# KiCad board Djinn.kicad_pcb
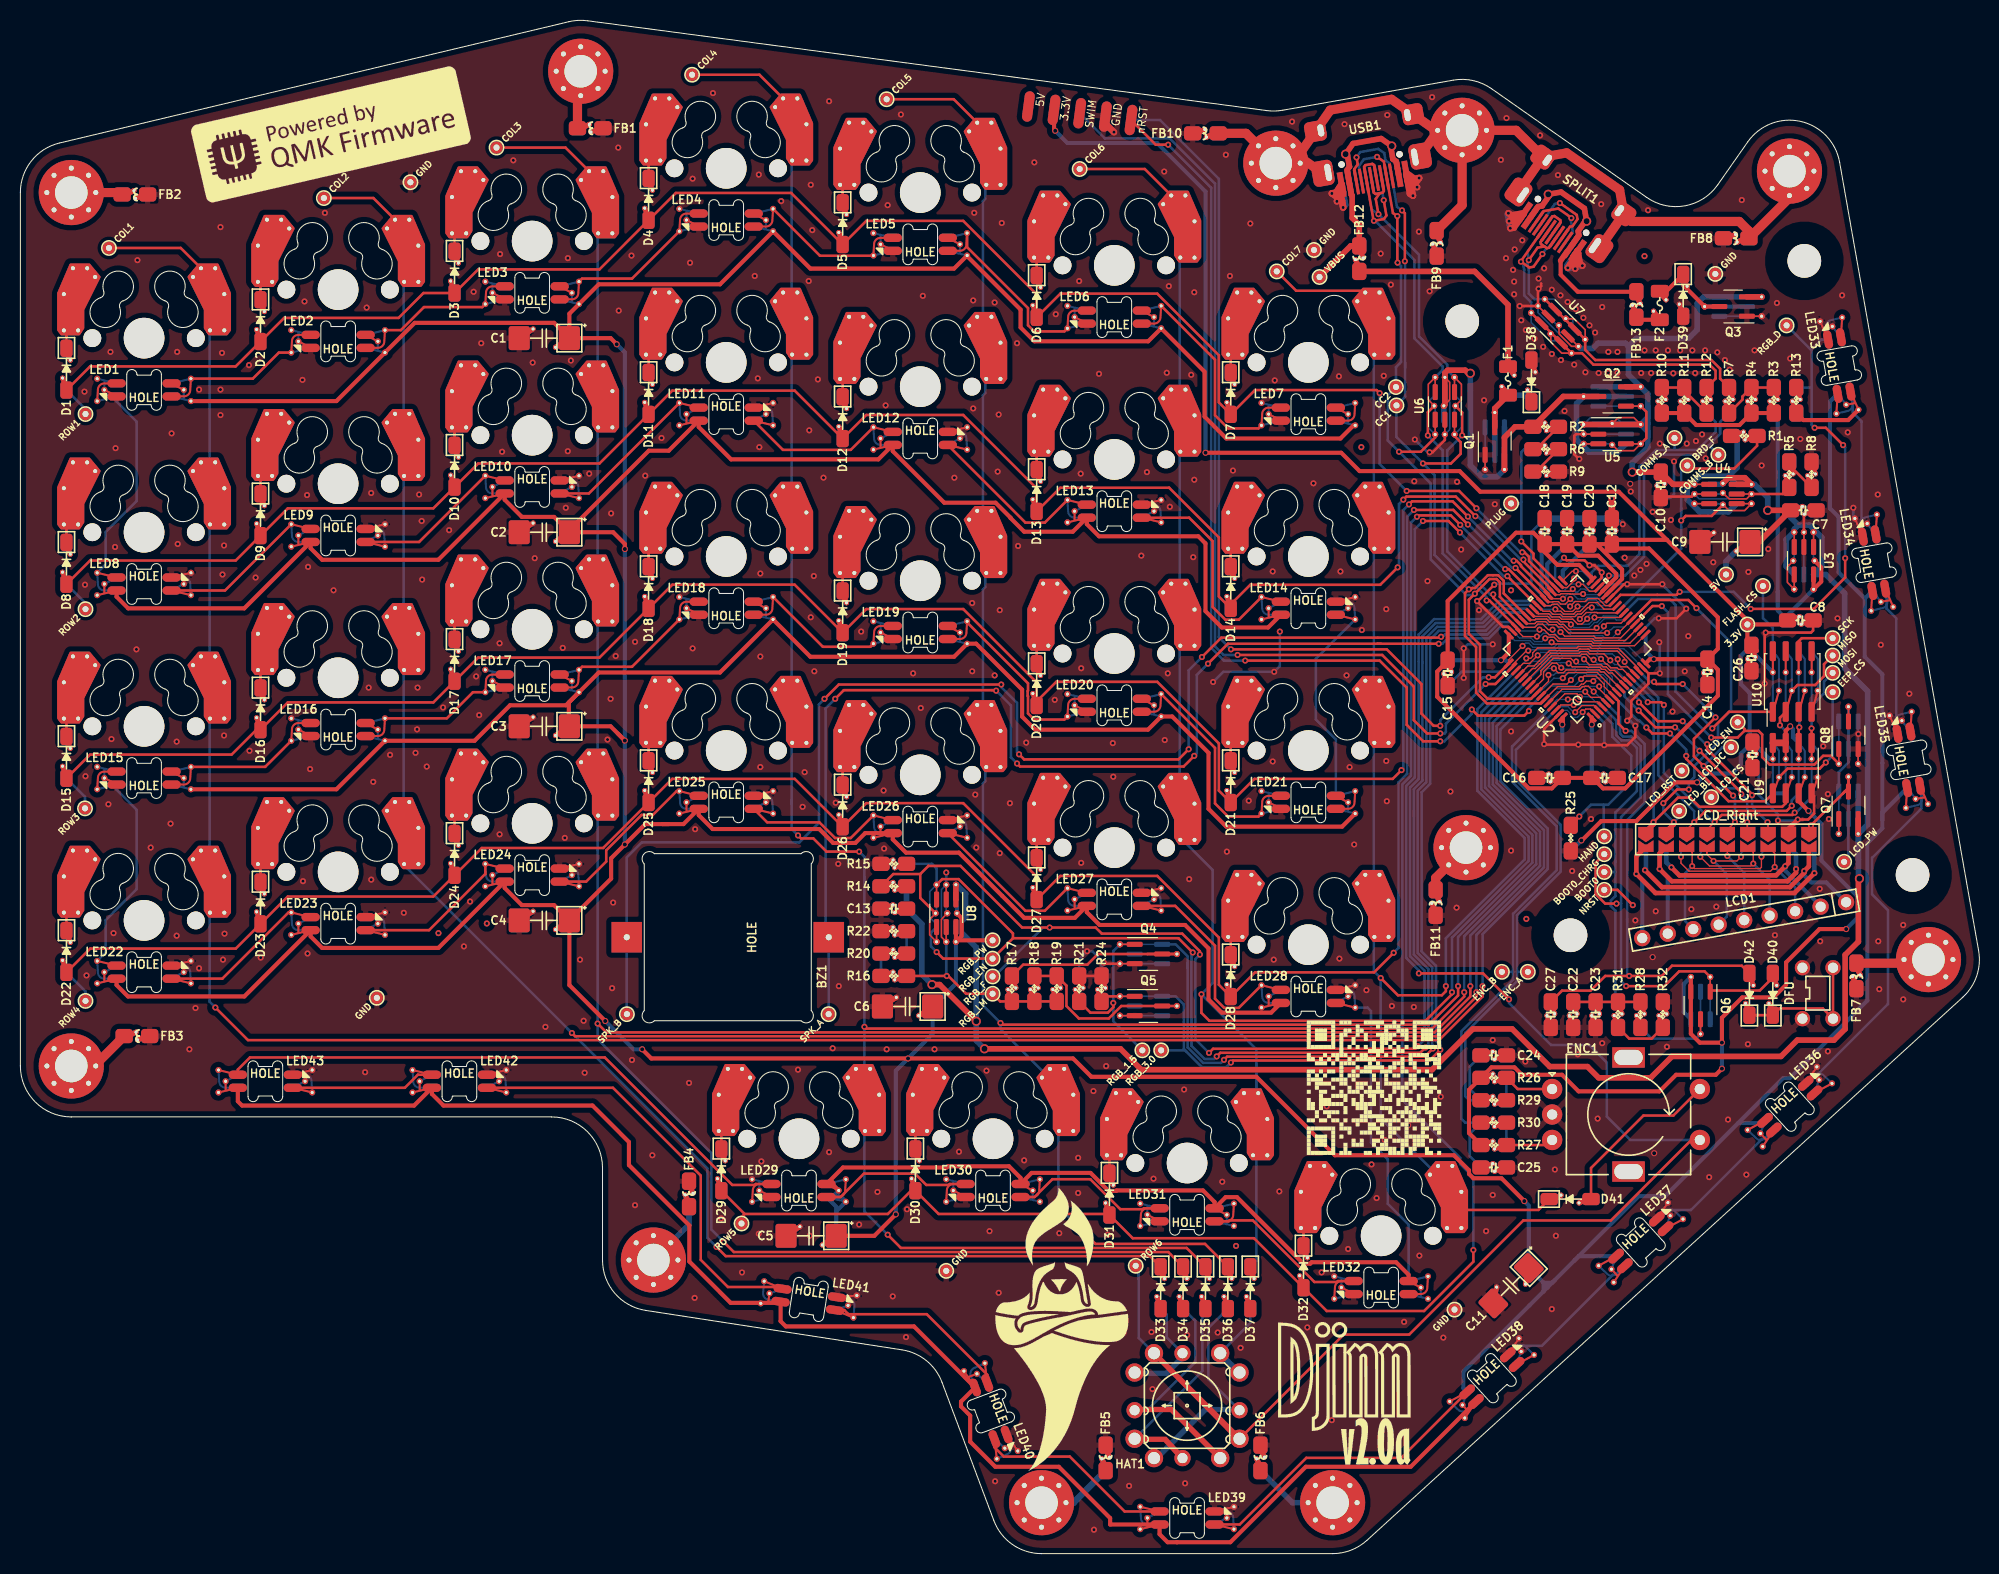
[diagram p0: board, top side]
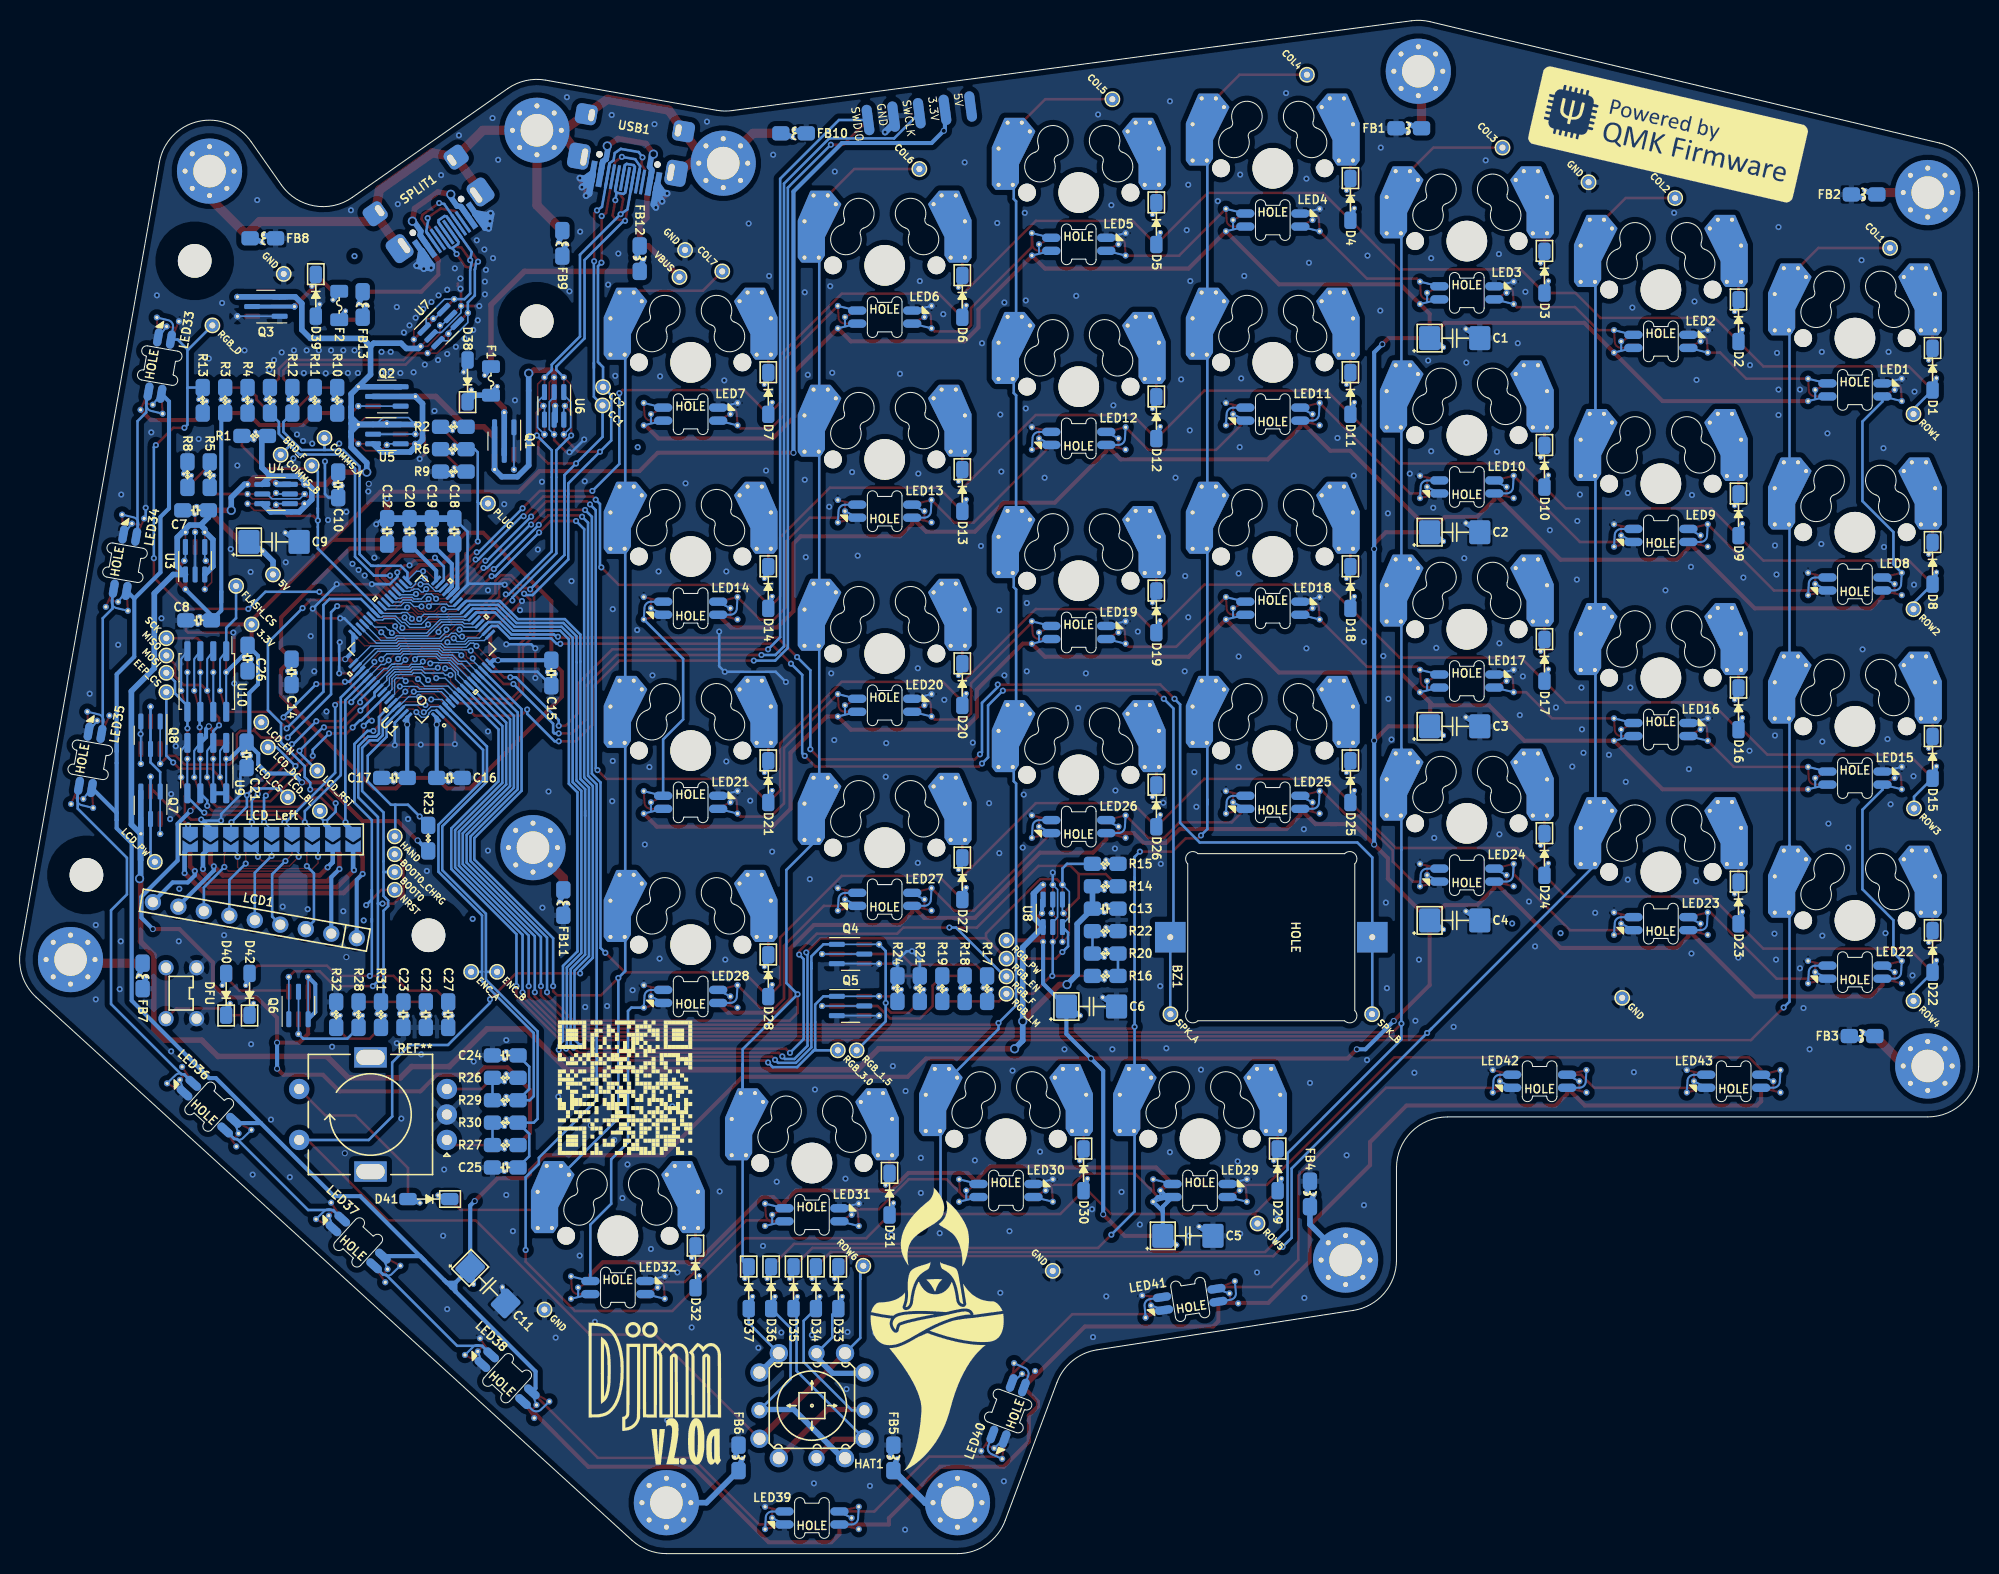
[diagram p1: board, bottom side, seen from below]

Outline 192.25 x 150.49 mm; copper layers: Top, Bottom. Coordinates in mm from the lower left corner of the outline.
Outline path: 0,133.59 0,47.86 arc(1.46,44.33) 5,42.86 52.15,42.86 arc(55.69,41.4) 57.15,37.86 57.15,28.81 arc(58.36,25.56) 61.39,23.87 86.56,20 arc(88.95,18.94) 90.48,16.81 95.57,3.24 arc(97.4,0.89) 100.25,0 128.83,0 arc(130.63,0.34) 132.19,1.3 190.69,54.61 arc(192.05,56.69) 192.25,59.17 178.6,136.56 arc(174.76,140.57) 169.58,138.56 166.62,134.34 arc(163.4,132.28) 159.66,133.11 144.4,143.79 arc(142.62,144.58) 140.67,144.62 123.89,141.66 arc(123.13,141.59) 122.37,141.63 55.66,150.45 arc(54.75,150.49) 53.85,150.36 3.84,138.45 arc(1.08,136.69) 0,133.59

## Placement (name value [footprint] x y rotation side)
BZ1  KLJ-1625  [Piezo-KLJ-1625]  69.44 60.5 270 top
C1  100u  [CP_6032]  51.43 119.3 180 top
C2  100u  [CP_6032]  51.43 100.25 180 top
C3  100u  [CP_6032]  51.43 81.2 180 top
C4  100u  [CP_6032]  51.43 62.15 180 top
C5  100u  [CP_6032]  77.63 31.19 180 top
C6  100u  [CP_6032]  87.09 53.7 180 top
C7  4.7u  [C-0805_2012Metric]  175.04 102.4 0 top
C8  4.7u  [C-0805_2012Metric]  174.74 91.6 0 top
C9  100u  [CP_6032]  167.34 99.3 180 top
C10  4.7u  [C-0805_2012Metric]  161.04 104.9 270 top
C11  100u  [CP_6032]  146.34 26.3 225 top
C12  4.7u  [C-0805_2012Metric]  156.24 100.34 90 top
C13  100n  [C-0805_2012Metric]  85.74 63.3 180 top
C14  100n  [C-0805_2012Metric]  165.62 86.54 270 top
C15  100n  [C-0805_2012Metric]  140.12 86.44 270 top
C16  100n  [C-0805_2012Metric]  150.12 76.14 180 top
C17  100n  [C-0805_2012Metric]  155.52 76.14 0 top
C18  100n  [C-0805_2012Metric]  149.64 100.34 90 top
C19  100n  [C-0805_2012Metric]  151.84 100.34 90 top
C20  100n  [C-0805_2012Metric]  154.04 100.34 90 top
C21  100n  [C-0805_2012Metric]  170.04 78.4 270 top
C22  100n  [C-0805_2012Metric]  152.44 52.9 90 top
C23  100n  [C-0805_2012Metric]  154.64 52.9 90 top
C24  100n  [C-0805_2012Metric]  144.64 48.9 0 top
C25  100n  [C-0805_2012Metric]  144.64 37.9 0 top
C26  100n  [C-0805_2012Metric]  169.94 87.9 270 top
C27  100n  [C-0805_2012Metric]  150.24 52.9 90 top
D1  1N4148  [D_SOD-123]  4.52 116.25 270 top
D2  1N4148  [D_SOD-123]  23.57 121.02 270 top
D3  1N4148  [D_SOD-123]  42.62 125.78 270 top
D4  1N4148  [D_SOD-123]  61.67 132.92 270 top
D5  1N4148  [D_SOD-123]  80.72 130.54 270 top
D6  1N4148  [D_SOD-123]  99.77 123.4 270 top
D7  1N4148  [D_SOD-123]  118.82 113.87 270 top
D8  1N4148  [D_SOD-123]  4.52 97.2 270 top
D9  1N4148  [D_SOD-123]  23.57 101.96 270 top
D10  1N4148  [D_SOD-123]  42.62 106.73 270 top
D11  1N4148  [D_SOD-123]  61.67 113.87 270 top
D12  1N4148  [D_SOD-123]  80.72 111.49 270 top
D13  1N4148  [D_SOD-123]  99.77 104.35 270 top
D14  1N4148  [D_SOD-123]  118.82 94.82 270 top
D15  1N4148  [D_SOD-123]  4.52 78.15 270 top
D16  1N4148  [D_SOD-123]  23.57 82.91 270 top
D17  1N4148  [D_SOD-123]  42.62 87.68 270 top
D18  1N4148  [D_SOD-123]  61.67 94.82 270 top
D19  1N4148  [D_SOD-123]  80.72 92.44 270 top
D20  1N4148  [D_SOD-123]  99.77 85.3 270 top
D21  1N4148  [D_SOD-123]  118.82 75.77 270 top
D22  1N4148  [D_SOD-123]  4.52 59.1 270 top
D23  1N4148  [D_SOD-123]  23.57 63.86 270 top
D24  1N4148  [D_SOD-123]  42.62 68.63 270 top
D25  1N4148  [D_SOD-123]  61.67 75.77 270 top
D26  1N4148  [D_SOD-123]  80.72 73.39 270 top
D27  1N4148  [D_SOD-123]  99.77 66.25 270 top
D28  1N4148  [D_SOD-123]  118.82 56.72 270 top
D29  1N4148  [D_SOD-123]  68.82 37.67 270 top
D30  1N4148  [D_SOD-123]  87.87 37.67 270 top
D31  1N4148  [D_SOD-123]  106.92 35.29 270 top
D32  1N4148  [D_SOD-123]  125.97 28.15 270 top
D33  1N4148  [D_SOD-123]  111.94 26.1 270 top
D34  1N4148  [D_SOD-123]  114.14 26.1 270 top
D35  1N4148  [D_SOD-123]  116.34 26.1 270 top
D36  1N4148  [D_SOD-123]  118.54 26.1 270 top
D37  1N4148  [D_SOD-123]  120.74 26.1 270 top
D38  SMF5.0CA  [D_SOD-123]  148.34 115.1 90 top
D39  SMF5.0CA  [D_SOD-123]  163.24 123.5 270 top
D40  1N4148  [D_SOD-123]  172.04 54.9 90 top
D41  1N4148  [D_SOD-123]  152.14 34.8 0 top
D42  1N4148  [D_SOD-123]  169.74 54.9 90 top
DRILL1  Drill Mountpoint  [MountingHole_3.2mm_M3_Pad_Via]  55.01 145.49 0 top
DRILL2  Drill Mountpoint  [MountingHole_3.2mm_M3_Pad_Via]  5 133.59 0 top
DRILL3  Drill Mountpoint  [MountingHole_3.2mm_M3_Pad_Via]  5 47.86 0 top
DRILL4  Drill Mountpoint  [MountingHole_3.2mm_M3_Pad_Via]  62.15 28.81 0 top
DRILL5  Drill Mountpoint  [MountingHole_3.2mm_M3_Pad_Via]  100.25 5 0 top
DRILL6  Drill Mountpoint  [MountingHole_3.2mm_M3_Pad_Via]  128.82 5 0 top
DRILL7  Drill Mountpoint  [MountingHole_3.2mm_M3_Pad_Via]  187.32 58.3 0 top
DRILL8  Drill Mountpoint  [MountingHole_3.2mm_M3_Pad_Via]  173.68 135.69 0 top
DRILL9  Drill Mountpoint  [MountingHole_3.2mm_M3_Pad_Via]  141.54 139.7 0 top
DRILL10  Drill Mountpoint  [MountingHole_3.2mm_M3_Pad_Via]  123.24 136.47 0 top
DRILL11  Drill Mountpoint  [MountingHole_3.2mm_M3_Pad_Via]  141.92 69.29 0 top
ENC1  Rotary_Encoder_Switch  [EC11_Switch]  157.88 43.1 0 top
F1  3.0A 1206 Polyfuse  [Fuse_1206_3216Metric]  146.04 115.1 90 top
F2  1.5A 1206 Polyfuse  [Fuse_1206_3216Metric]  160.94 122.5 270 top
FB1  4A/0805  [L-0805_2012Metric]  55.94 139.9 0 top
FB2  4A/0805  [L-0805_2012Metric]  11.24 133.4 0 top
FB3  4A/0805  [L-0805_2012Metric]  11.44 50.8 0 top
FB4  4A/0805  [L-0805_2012Metric]  65.64 35.3 90 top
FB5  4A/0805  [L-0805_2012Metric]  106.54 9.4 90 top
FB6  4A/0805  [L-0805_2012Metric]  121.74 9.4 90 top
FB7  4A/0805  [L-0805_2012Metric]  180.24 56.7 270 top
FB8  4A/0805  [L-0805_2012Metric]  168.44 129.1 180 top
FB9  4A/0805  [L-0805_2012Metric]  139.04 128.6 270 top
FB10  4A/0805  [L-0805_2012Metric]  116.34 139.4 180 top
FB11  4A/0805  [L-0805_2012Metric]  138.94 63.9 270 top
FB12  4A/0805  [L-0805_2012Metric]  131.44 127.1 90 top
FB13  4A/0805  [L-0805_2012Metric]  158.64 122.6 270 top
HAT1  5Way-Tactile_K1-1506DN-01  [5Way-K1-1506DN-01]  114.54 14.52 0 top
J1  ST-Link Clone (Optional)  [STLink_SideSocket]  104.34 144 262.5 top
J2  LCD_Left  [SolderJumper-1.0x1.5mm_x9]  167.58 70.1 180 bottom
J3  LCD_Right  [SolderJumper-1.0x1.5mm_x9]  167.58 70.1 0 top
LCD1  -  [LCD-ILI9341-2.2in]  163.66 93.79 190 bottom
LED1  -  [SK6812Mini-E]  12.14 114.22 0 top
LED2  -  [SK6812Mini-E]  31.19 118.98 0 top
LED3  -  [SK6812Mini-E]  50.24 123.75 0 top
LED4  -  [SK6812Mini-E]  69.29 130.89 0 top
LED5  -  [SK6812Mini-E]  88.34 128.51 0 top
LED6  -  [SK6812Mini-E]  107.39 121.36 0 top
LED7  -  [SK6812Mini-E]  126.44 111.84 0 top
LED8  -  [SK6812Mini-E]  12.14 95.17 180 bottom
LED9  -  [SK6812Mini-E]  31.19 99.93 180 bottom
LED10  -  [SK6812Mini-E]  50.24 104.69 180 bottom
LED11  -  [SK6812Mini-E]  69.29 111.84 180 bottom
LED12  -  [SK6812Mini-E]  88.34 109.46 180 bottom
LED13  -  [SK6812Mini-E]  107.39 102.31 180 bottom
LED14  -  [SK6812Mini-E]  126.44 92.79 180 bottom
LED15  -  [SK6812Mini-E]  12.14 76.12 0 top
LED16  -  [SK6812Mini-E]  31.19 80.88 0 top
LED17  -  [SK6812Mini-E]  50.24 85.64 0 top
LED18  -  [SK6812Mini-E]  69.29 92.79 0 top
LED19  -  [SK6812Mini-E]  88.34 90.41 0 top
LED20  -  [SK6812Mini-E]  107.39 83.26 0 top
LED21  -  [SK6812Mini-E]  126.44 73.74 0 top
LED22  -  [SK6812Mini-E]  12.14 57.07 180 bottom
LED23  -  [SK6812Mini-E]  31.19 61.83 180 bottom
LED24  -  [SK6812Mini-E]  50.24 66.59 180 bottom
LED25  -  [SK6812Mini-E]  69.29 73.74 180 bottom
LED26  -  [SK6812Mini-E]  88.34 71.36 180 bottom
LED27  -  [SK6812Mini-E]  107.39 64.21 180 bottom
LED28  -  [SK6812Mini-E]  126.44 54.69 180 bottom
LED29  -  [SK6812Mini-E]  76.44 35.64 0 top
LED30  -  [SK6812Mini-E]  95.49 35.64 0 top
LED31  -  [SK6812Mini-E]  114.54 33.26 0 top
LED32  -  [SK6812Mini-E]  133.59 26.11 0 top
LED33  -  [SK6812Mini-E]  178.56 116.61 280 bottom
LED34  -  [SK6812Mini-E]  181.98 97.26 280 bottom
LED35  -  [SK6812Mini-E]  185.39 77.91 280 bottom
LED36  -  [SK6812Mini-E]  173.71 43.87 222.3 bottom
LED37  -  [SK6812Mini-E]  159.08 30.54 222.3 bottom
LED38  -  [SK6812Mini-E]  144.46 17.22 222.3 bottom
LED39  -  [SK6812Mini-E]  114.54 3.5 180 bottom
LED40  -  [SK6812Mini-E]  95.27 14 110.6 bottom
LED41  -  [SK6812Mini-E]  77.4 24.95 171.3 bottom
LED42  -  [SK6812Mini-E]  43.1 46.36 180 bottom
LED43  -  [SK6812Mini-E]  24.05 46.36 180 bottom
LOGO1  QMK Logo  [QMK_PoweredBy]  30.49 139.3 13 top
LOGO2  QMK Logo  [QMK_PoweredBy]  30.49 139.3 193 bottom
LOGO3  Djinn Logo  [DjinnLogo]  102.24 22.02 0 top
LOGO4  Djinn Logo  [DjinnLogo]  102.24 22.02 180 bottom
LOGO5  Djinn Name+Ver  [DjinnNameVer]  129.97 15.73 0 top
LOGO6  Djinn Name+Ver  [DjinnNameVer]  129.97 15.73 180 bottom
LOGO7  QMK QRCode  [Djinn_QRCode_0.4mm]  132.88 45.73 0 top
LOGO8  QMK QRCode  [Djinn_QRCode_0.4mm]  132.88 45.73 180 bottom
Q1  AO3401A  [SOT-23-3]  144.74 109.2 90 top
Q2  AO3401A  [SOT-23-3]  156.27 113.58 180 top
Q3  AO3401A  [SOT-23-3]  168.14 122.4 180 top
Q4  2N7002  [SOT-23-3]  110.74 58.85 0 top
Q5  2N7002  [SOT-23-3]  110.74 53.75 0 top
Q6  MMUN2133LT1G  [SOT-23-3]  164.94 53.8 270 top
Q7  AO3401A  [SOT-23-3]  179.47 73.45 90 top
Q8  MMUN2233LT1G  [SOT-23-3]  179.47 80.32 90 top
R1  9.1k  [R-0805_2012Metric#2]  169.24 109.7 0 top
R2  68k  [R-0805_2012Metric#2]  149.74 110.6 0 top
R3  9.1k  [R-0805_2012Metric#2]  172.14 113.2 90 top
R4  9.1k  [R-0805_2012Metric#2]  169.94 113.2 90 top
R5  9.1k  [R-0805_2012Metric#2]  173.65 105.9 90 top
R6  68k  [R-0805_2012Metric#2]  149.74 108.4 0 top
R7  120  [R-0805_2012Metric#2]  167.74 113.2 90 top
R8  9.1k  [R-0805_2012Metric#2]  175.84 105.9 90 top
R9  68k  [R-0805_2012Metric#2]  149.74 106.2 0 top
R10  9.1k  [R-0805_2012Metric#2]  161.14 113.2 90 top
R11  9.1k  [R-0805_2012Metric#2]  163.34 113.2 90 top
R12  120  [R-0805_2012Metric#2]  165.54 113.2 90 top
R13  9.1k  [R-0805_2012Metric#2]  174.34 113.2 90 top
R14  9.1k  [R-0805_2012Metric#2]  85.74 65.5 180 top
R15  9.1k  [R-0805_2012Metric#2]  85.74 67.7 180 top
R16  68k  [R-0805_2012Metric#2]  85.74 56.7 180 top
R17  68k  [R-0805_2012Metric#2]  97.34 55.45 90 top
R18  68k  [R-0805_2012Metric#2]  99.54 55.45 90 top
R19  68k  [R-0805_2012Metric#2]  101.74 55.45 90 top
R20  68k  [R-0805_2012Metric#2]  85.74 58.9 180 top
R21  9.1k  [R-0805_2012Metric#2]  103.94 55.45 90 top
R22  68k  [R-0805_2012Metric#2]  85.74 61.1 180 top
R23  9.1k  [R-0805_2012Metric]  152.21 70.23 90 bottom
R24  9.1k  [R-0805_2012Metric#2]  106.14 55.45 90 top
R25  9.1k  [R-0805_2012Metric]  152.21 70.23 90 top
R26  9.1k  [R-0805_2012Metric#2]  144.64 46.7 0 top
R27  9.1k  [R-0805_2012Metric#2]  144.64 40.1 0 top
R28  120  [R-0805_2012Metric#2]  159.04 52.9 90 top
R29  9.1k  [R-0805_2012Metric#2]  144.64 44.5 0 top
R30  9.1k  [R-0805_2012Metric#2]  144.64 42.3 0 top
R31  68k  [R-0805_2012Metric#2]  156.84 52.9 90 top
R32  68k  [R-0805_2012Metric#2]  161.24 52.9 90 top
RESET1  DFU  [PushButton_4.5mm]  176.45 55.01 0 top
SPLIT1  USB-C-2.0  [HRO-TYPE-C-31-M-12-HandSoldering-NoSBU]  152.64 133.14 145 top
SW1  SW_Push  [MX-1U-Hotswap-NoBorder]  12.14 119.3 0 top
SW2  SW_Push  [MX-1U-Hotswap-NoBorder]  31.19 124.06 0 top
SW3  SW_Push  [MX-1U-Hotswap-NoBorder]  50.24 128.82 0 top
SW4  SW_Push  [MX-1U-Hotswap-NoBorder]  69.29 135.97 0 top
SW5  SW_Push  [MX-1U-Hotswap-NoBorder]  88.34 133.59 0 top
SW6  SW_Push  [MX-1U-Hotswap-NoBorder]  107.39 126.44 0 top
SW7  SW_Push  [MX-1U-Hotswap-NoBorder]  126.44 116.92 0 top
SW8  SW_Push  [MX-1U-Hotswap-NoBorder]  12.14 100.25 0 top
SW9  SW_Push  [MX-1U-Hotswap-NoBorder]  31.19 105.01 0 top
SW10  SW_Push  [MX-1U-Hotswap-NoBorder]  50.24 109.77 0 top
SW11  SW_Push  [MX-1U-Hotswap-NoBorder]  69.29 116.92 0 top
SW12  SW_Push  [MX-1U-Hotswap-NoBorder]  88.34 114.54 0 top
SW13  SW_Push  [MX-1U-Hotswap-NoBorder]  107.39 107.39 0 top
SW14  SW_Push  [MX-1U-Hotswap-NoBorder]  126.44 97.87 0 top
SW15  SW_Push  [MX-1U-Hotswap-NoBorder]  12.14 81.2 0 top
SW16  SW_Push  [MX-1U-Hotswap-NoBorder]  31.19 85.96 0 top
SW17  SW_Push  [MX-1U-Hotswap-NoBorder]  50.24 90.72 0 top
SW18  SW_Push  [MX-1U-Hotswap-NoBorder]  69.29 97.87 0 top
SW19  SW_Push  [MX-1U-Hotswap-NoBorder]  88.34 95.49 0 top
SW20  SW_Push  [MX-1U-Hotswap-NoBorder]  107.39 88.34 0 top
SW21  SW_Push  [MX-1U-Hotswap-NoBorder]  126.44 78.82 0 top
SW22  SW_Push  [MX-1U-Hotswap-NoBorder]  12.14 62.15 0 top
SW23  SW_Push  [MX-1U-Hotswap-NoBorder]  31.19 66.91 0 top
SW24  SW_Push  [MX-1U-Hotswap-NoBorder]  50.24 71.67 0 top
SW25  SW_Push  [MX-1U-Hotswap-NoBorder]  69.29 78.82 0 top
SW26  SW_Push  [MX-1U-Hotswap-NoBorder]  88.34 76.44 0 top
SW27  SW_Push  [MX-1U-Hotswap-NoBorder]  107.39 69.29 0 top
SW28  SW_Push  [MX-1U-Hotswap-NoBorder]  126.44 59.77 0 top
SW29  SW_Push  [MX-1U-Hotswap-NoBorder]  76.44 40.72 0 top
SW30  SW_Push  [MX-1U-Hotswap-NoBorder]  95.49 40.72 0 top
SW31  SW_Push  [MX-1U-Hotswap-NoBorder]  114.54 38.34 0 top
SW32  SW_Push  [MX-1U-Hotswap-NoBorder]  133.59 31.19 0 top
TP1  VBUS  [TestPoint]  127.54 125.3 45 top
TP2  SCK  [TestPoint]  177.92 89.85 45 top
TP3  5V  [TestPoint]  167.44 96.1 225 top
TP4  MISO  [TestPoint]  177.92 88.15 45 top
TP5  3.3V  [TestPoint]  169.54 91.2 225 top
TP6  MOSI  [TestPoint]  177.92 86.45 45 top
TP7  BRD_F  [TestPoint]  163.64 106.8 45 top
TP8  NRST  [TestPoint]  155.49 65.15 225 top
TP9  BOOT0  [TestPoint]  155.49 66.9 225 top
TP10  COL1  [TestPoint]  8.69 128.15 45 top
TP11  BOOT0_CHRG  [TestPoint]  155.49 68.65 225 top
TP12  COL2  [TestPoint]  29.79 133.05 45 top
TP13  COL3  [TestPoint]  46.74 138 45 top
TP14  COMMS_A  [TestPoint]  162.39 109.5 225 top
TP15  COL4  [TestPoint]  65.94 145.15 45 top
TP16  COMMS_B  [TestPoint]  166.69 107.85 225 top
TP17  COL5  [TestPoint]  85.04 142.75 45 top
TP18  RGB_PW  [TestPoint]  95.44 60.2 225 top
TP19  COL6  [TestPoint]  103.99 135.9 45 top
TP20  RGB_EN  [TestPoint]  95.44 58.4 225 top
TP21  COL7  [TestPoint]  123.34 125.85 45 top
TP22  RGB_D  [TestPoint]  173.39 120.55 225 top
TP23  ROW1  [TestPoint]  6.39 111.85 225 top
TP24  RGB_F  [TestPoint]  95.44 56.65 225 top
TP25  ROW2  [TestPoint]  6.39 92.7 225 top
TP26  RGB_1.5  [TestPoint]  110.14 49.4 225 top
TP27  ROW3  [TestPoint]  6.34 73.15 225 top
TP28  RGB_3.0  [TestPoint]  111.99 49.4 225 top
TP29  ROW4  [TestPoint]  6.39 54.25 225 top
TP30  RGB_LM  [TestPoint]  95.44 54.95 225 top
TP31  ROW5  [TestPoint]  70.79 32.4 225 top
TP32  ROW6  [TestPoint]  109.49 28.25 45 top
TP33  LCD_PW  [TestPoint]  179.04 67.9 45 top
TP34  LCD_EN  [TestPoint]  168.59 81.6 225 top
TP35  SPK_A  [TestPoint]  79.34 52.95 225 top
TP36  LCD_CS  [TestPoint]  165.99 74.25 45 top
TP37  SPK_B  [TestPoint]  59.54 52.95 225 top
TP38  LCD_DC  [TestPoint]  167.94 79.15 225 top
TP39  CC1  [TestPoint]  135.09 112.7 225 top
TP40  LCD_RST  [TestPoint]  163.09 76.85 225 top
TP41  CC2  [TestPoint]  135.04 114.5 225 top
TP42  LCD_BL  [TestPoint]  162.84 72.9 45 top
TP43  HAND  [TestPoint]  155.49 70.4 225 top
TP44  EEP_CS  [TestPoint]  177.92 84.55 45 top
TP45  PLUG  [TestPoint]  146.34 103.07 225 top
TP46  FLASH_CS  [TestPoint]  171.07 94.97 225 top
TP47  ENC_A  [TestPoint]  147.99 57.1 225 top
TP48  GND  [TestPoint]  126.99 127.95 45 top
TP49  ENC_B  [TestPoint]  145.44 57.1 225 top
TP50  GND  [TestPoint]  38.29 134.6 45 top
TP51  GND  [TestPoint]  34.99 54.55 225 top
TP52  GND  [TestPoint]  140.79 23.95 225 top
TP53  GND  [TestPoint]  166.39 125.6 45 top
TP54  GND  [TestPoint]  90.89 27.75 45 top
U1  -  [STM32G474RETx]  152.84 88.79 45 bottom
U2  -  [STM32G474RETx]  152.84 88.79 135 top
U3  AP2127K-3.3  [SOT-23-5]  175.09 97.45 270 top
U4  TPS2553DBVR-1  [SOT-23-6]  167.14 104 0 top
U5  LMV321  [SOT-23-5]  156.27 109.88 0 top
U6  AZC199-04S  [SOT-23-6]  139.84 112.65 90 top
U7  AZC199-04S  [SOT-23-6]  150.97 120.47 315 top
U8  TPS2553DBVR-1  [SOT-23-6]  90.89 62.85 270 top
U9  MB85RS64  [SOIC-8_3.9x4.9mm_P1.27mm]  173.94 77.1 90 top
U10  W25Q32JVSSIQ  [SOIC-8_5.23x5.23mm_P1.27mm]  173.94 85.6 90 top
USB1  USB-C-2.0  [HRO-TYPE-C-31-M-12-HandSoldering-NoSBU]  132.16 139.06 190 top

## Footprints (pads in the part's own frame, mm; a bottom-side part is the same pattern mirrored in y, then rotated)
5Way-K1-1506DN-01
  round 1.8 hole 1.2: 1(-5.15,3.25) 2(3.25,-5.15) 3(-5.15,-3.25) 4(-3.25,5.15) 4(5.15,-3.25) 5(-3.25,-5.15) 6(3.25,5.15) 6(5.15,3.25)
  custom 6.106x3.312 smd far side: 1(-2.54,3.175)
  round 1.6 hole 1: 1(-0.45,5.15) 2(-5.15,-0.45) 3(-0.45,-5.15) 5(5.15,-0.45)
  custom 9.916x6.106 smd: 2(2.032,-3.937)
  custom 6.106x3.312 smd: 3(-1.778,-3.81)
  custom 9.939x9.939 smd: 4(0.95,0.95)
  custom 9.916x6.106 smd far side: 5(3.81,-0.381)
  custom 3.462x3.462 smd far side: 6(4.2,4.2)
C-0805_2012Metric
  rrect 1.701x1.4 smd: 1(-1.251,0) 2(1.251,0)
  rrect 1.701x1.4 smd far side: 1(-1.251,0) 2(1.251,0)
  custom 1.262x0.881 smd: 1(-0.851,0) 2(0.851,0)
  custom 1.262x0.881 smd far side: 1(-0.851,0) 2(0.851,0)
  round 0.5 hole 0.3: 1(-0.089,0.381) 2(0.07,-0.381)
CP_6032
  custom 1.9x1.4 smd: 1(-2.462,0) 2(2.462,0)
  custom 1.9x1.4 smd far side: 1(-2.462,0) 2(2.462,0)
  rrect 2.075x2.35 smd: 1(-2.462,0) 2(2.462,0)
  rrect 2.075x2.35 smd far side: 1(-2.462,0) 2(2.462,0)
  round 0.5 hole 0.3: 1(-1.1,0.9) 2(1.1,-0.9)
D_SOD-123
  rrect 1.701x1.2 smd: 1(-2.051,0) 2(2.051,0)
  rrect 1.701x1.2 smd far side: 1(-2.051,0) 2(2.051,0)
  custom 1.262x0.881 smd: 1(-1.651,0) 2(1.651,0)
  custom 1.262x0.881 smd far side: 1(-1.651,0) 2(1.651,0)
  round 0.5 hole 0.3: 1(-0.889,0.381) 2(0.87,-0.381)
EC11_Switch
  round 2 hole 1: A(-7.5,2.5) B(-7.5,-2.5) C(-7.5,0) S1(7,-2.5) S2(7,2.5)
  rect 3.2x2 hole 2.8x1.5: MP(0,5.6) MP(0,-5.6)
Fuse_1206_3216Metric
  custom 1.313x1.16 smd: 1(-1.4,0)
  custom 1.313x1.16 smd far side: 1(-1.4,0)
  rrect 1.25x1.75 smd: 1(-1.4,0) 2(1.4,0)
  rrect 1.25x1.75 smd far side: 1(-1.4,0) 2(1.4,0)
  round 0.5 hole 0.3: 1(-0.559,0.61) 2(0.55,-0.61)
  custom 1.364x1.11 smd: 2(1.4,0)
  custom 1.364x1.11 smd far side: 2(1.4,0)
HRO-TYPE-C-31-M-12-HandSoldering-NoSBU
  round 0.65 hole 0.65 unplated: (-2.89,2.25) (2.89,2.25)
  rect 0.57x2.45 smd: A1(-3.225,4.195) A4(-2.45,4.195) B1(3.225,4.195) B4(2.45,4.195)
  rect 0.57x2.45 smd far side: A1(3.225,4.195) A4(2.45,4.195) B1(-3.225,4.195) B4(-2.45,4.195)
  rect 0.3x2.45 smd: A5(-1.25,4.195) A6(-0.25,4.195) A7(0.25,4.195) B5(1.75,4.195) B6(0.75,4.195) B7(-0.75,4.195) ~(-1.75,4.195) ~(1.25,4.195)
  rect 0.3x2.45 smd far side: A5(1.25,4.195) A6(0.25,4.195) A7(-0.25,4.195) B5(-1.75,4.195) B6(-0.75,4.195) B7(0.75,4.195) ~(-1.25,4.195) ~(1.75,4.195)
  rrect 2.1x2.5 smd: S1(-4.85,2.78) S1(4.85,2.78)
  rrect 2.1x2.5 smd far side: S1(-4.85,2.78) S1(4.85,2.78)
  rrect 2.1x2 smd: S1(-4.85,-1.4) S1(4.85,-1.4)
  rrect 2.1x2 smd far side: S1(-4.85,-1.4) S1(4.85,-1.4)
  oval 1x2.1 hole 0.6x1.7: S1(-4.32,2.78) S1(4.32,2.78)
  oval 1x1.6 hole 0.6x1.2: S1(-4.32,-1.4) S1(4.32,-1.4)
L-0805_2012Metric
  rrect 1.701x1.4 smd: 1(-1.251,0) 2(1.251,0)
  rrect 1.701x1.4 smd far side: 1(-1.251,0) 2(1.251,0)
  custom 1.262x0.881 smd: 1(-0.851,0) 2(0.851,0)
  custom 1.262x0.881 smd far side: 1(-0.851,0) 2(0.851,0)
  round 0.5 hole 0.3: 1(-0.089,0.381) 2(0.07,-0.381)
LCD-ILI9341-2.2in
  round 3.3 hole 3.3 unplated: (-17.05,-30.6) (-17.05,30.6) (17.05,-30.6) (17.05,30.6)
  round 1.6 hole 1: 1(-10.16,-32.1) 2(-7.62,-32.1) 3(-5.08,-32.1) 4(-2.54,-32.1) 5(0,-32.1) 6(2.54,-32.1) 7(5.08,-32.1) 8(7.62,-32.1) 9(10.16,-32.1)
MountingHole_3.2mm_M3_Pad_Via
  round 0.8 hole 0.5: 1(-2.4,0) 1(-1.697,1.697) 1(-1.697,-1.697) 1(0,2.4) 1(0,-2.4) 1(1.697,1.697) 1(1.697,-1.697) 1(2.4,0)
  round 6.4 hole 3.2: 1(0,0)
MX-1U-Hotswap-NoBorder